# KiCad board first_keyboard.kicad_pcb (continued)
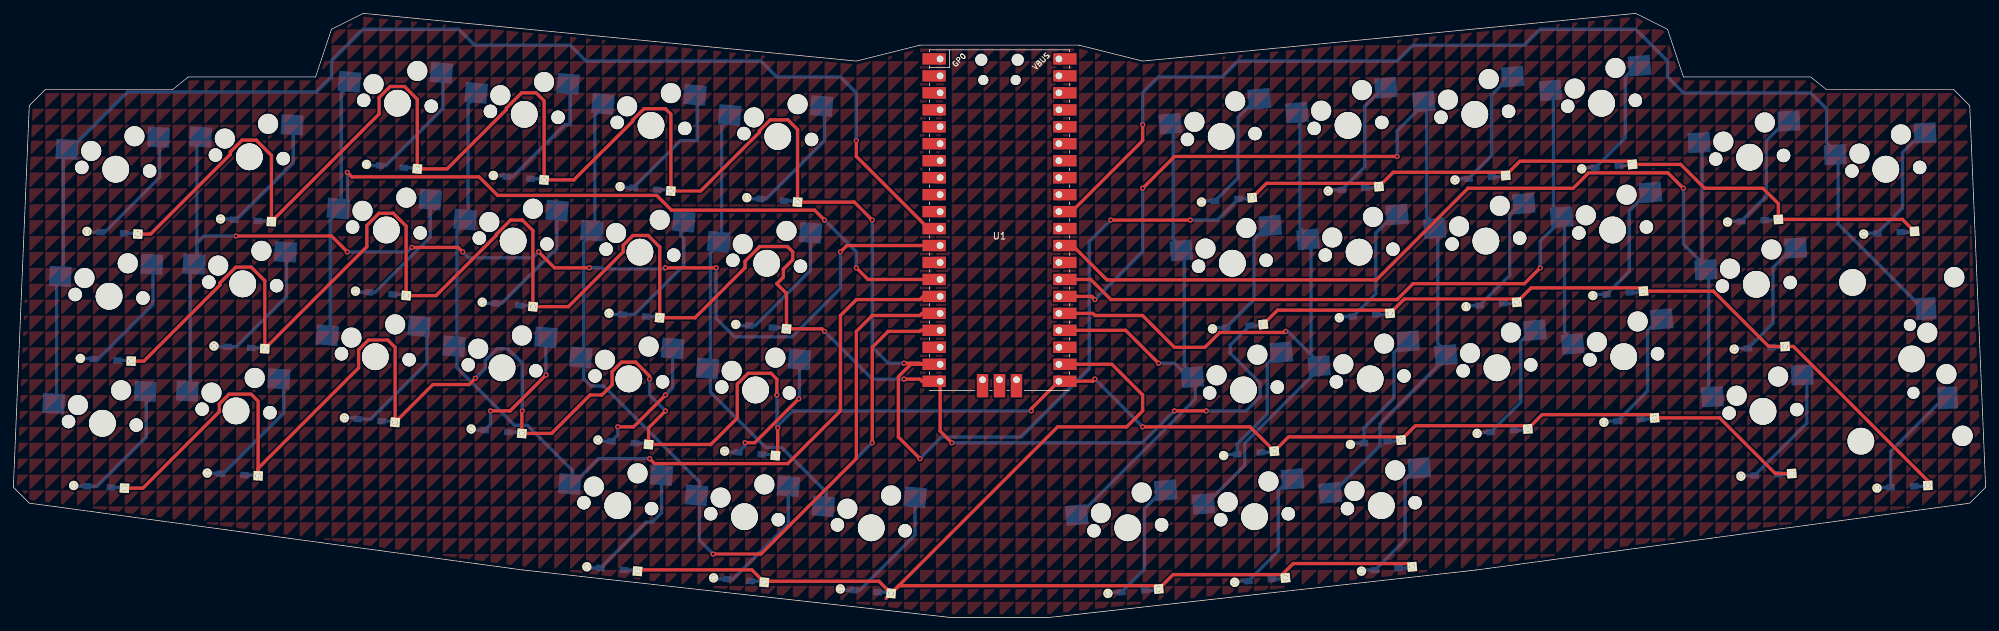
[diagram p0: board, top side]
## Copper pours and planes (outline as drawn; the poured copper is in the pictures) (continued)
(no net) on Top, Bottom: 92.87,23.81 92.87,21.43 95.25,23.81
(no net) on Top, Bottom: 42.86,40.48 42.86,38.1 45.24,40.48
(no net) on Top, Bottom: 297.66,90.49 297.66,88.11 300.04,90.49
(no net) on Top, Bottom: 123.83,2.38 123.83,0 126.21,2.38
(no net) on Top, Bottom: 280.99,47.62 280.99,45.24 283.37,47.62
(no net) on Top, Bottom: 164.31,52.39 164.31,50.01 166.69,52.39
(no net) on Top, Bottom: 164.31,114.3 164.31,111.92 166.69,114.3
(no net) on Top, Bottom: 45.24,-28.57 45.24,-30.96 47.62,-28.57
(no net) on Top, Bottom: 271.46,14.29 271.46,11.91 273.84,14.29
(no net) on Top, Bottom: 292.89,30.96 292.89,28.57 295.27,30.96
(no net) on Top, Bottom: 0,88.11 0,85.72 2.38,88.11
(no net) on Top, Bottom: 247.65,35.72 247.65,33.34 250.03,35.72
(no net) on Top, Bottom: 83.34,9.53 83.34,7.14 85.73,9.53
(no net) on Top, Bottom: 40.48,52.39 40.48,50.01 42.86,52.39
(no net) on Top, Bottom: 276.22,147.64 276.22,145.26 278.61,147.64
(no net) on Top, Bottom: 176.21,107.16 176.21,104.78 178.59,107.16
(no net) on Top, Bottom: 164.31,30.96 164.31,28.57 166.69,30.96
(no net) on Top, Bottom: 276.22,102.39 276.22,100.01 278.61,102.39
(no net) on Top, Bottom: 59.53,-28.57 59.53,-30.96 61.91,-28.57
(no net) on Top, Bottom: 80.96,119.06 80.96,116.68 83.34,119.06
(no net) on Top, Bottom: 57.15,2.38 57.15,0 59.53,2.38
(no net) on Top, Bottom: 145.26,78.58 145.26,76.2 147.64,78.58
(no net) on Top, Bottom: 33.34,102.39 33.34,100.01 35.72,102.39
(no net) on Top, Bottom: 109.54,111.92 109.54,109.54 111.92,111.92
(no net) on Top, Bottom: 119.06,38.1 119.06,35.72 121.44,38.1
(no net) on Top, Bottom: 169.07,-9.53 169.07,-11.91 171.45,-9.53
(no net) on Top, Bottom: 40.48,16.67 40.48,14.29 42.86,16.67
(no net) on Top, Bottom: 57.15,-11.91 57.15,-14.29 59.53,-11.91
(no net) on Top, Bottom: 14.29,40.48 14.29,38.1 16.67,40.48
(no net) on Top, Bottom: 223.84,92.87 223.84,90.49 226.22,92.87
(no net) on Top, Bottom: 28.58,-26.19 28.58,-28.57 30.96,-26.19
(no net) on Top, Bottom: 0,83.34 0,80.96 2.38,83.34
(no net) on Top, Bottom: 288.13,80.96 288.13,78.58 290.51,80.96
(no net) on Top, Bottom: 302.42,66.68 302.42,64.29 304.8,66.68
(no net) on Top, Bottom: 4.76,71.44 4.76,69.06 7.14,71.44
(no net) on Top, Bottom: 140.49,42.86 140.49,40.48 142.88,42.86
(no net) on Top, Bottom: 42.86,104.78 42.86,102.39 45.24,104.78
(no net) on Top, Bottom: 211.93,16.67 211.93,14.29 214.31,16.67
(no net) on Top, Bottom: 247.65,71.44 247.65,69.06 250.03,71.44
(no net) on Top, Bottom: 47.62,85.72 47.62,83.34 50.01,85.72
(no net) on Top, Bottom: 69.06,102.39 69.06,100.01 71.44,102.39
(no net) on Top, Bottom: 30.96,54.77 30.96,52.39 33.34,54.77
(no net) on Top, Bottom: 73.82,100.01 73.82,97.63 76.2,100.01
(no net) on Top, Bottom: 245.27,150.02 245.27,147.64 247.65,150.02
(no net) on Top, Bottom: 50.01,-30.96 50.01,-33.34 52.39,-30.96
(no net) on Top, Bottom: 259.56,16.67 259.56,14.29 261.94,16.67
(no net) on Top, Bottom: 257.18,135.73 257.18,133.35 259.56,135.73
(no net) on Top, Bottom: 119.06,88.11 119.06,85.72 121.44,88.11
(no net) on Top, Bottom: 130.97,88.11 130.97,85.72 133.35,88.11
(no net) on Top, Bottom: 200.02,145.26 200.02,142.88 202.41,145.26
(no net) on Top, Bottom: 259.56,-26.19 259.56,-28.57 261.94,-26.19
(no net) on Top, Bottom: 197.64,85.72 197.64,83.34 200.02,85.72
(no net) on Top, Bottom: 283.37,23.81 283.37,21.43 285.75,23.81
(no net) on Top, Bottom: 188.12,107.16 188.12,104.78 190.5,107.16
(no net) on Top, Bottom: 185.74,11.91 185.74,9.53 188.12,11.91
(no net) on Top, Bottom: 133.35,88.11 133.35,85.72 135.73,88.11
(no net) on Top, Bottom: 166.69,111.92 166.69,109.54 169.07,111.92
(no net) on Top, Bottom: 97.63,28.57 97.63,26.19 100.01,28.57
(no net) on Top, Bottom: 276.22,11.91 276.22,9.53 278.61,11.91
(no net) on Top, Bottom: 97.63,133.35 97.63,130.97 100.01,133.35
(no net) on Top, Bottom: 135.73,100.01 135.73,97.63 138.11,100.01
(no net) on Top, Bottom: 85.73,2.38 85.73,0 88.11,2.38
(no net) on Top, Bottom: 192.88,-30.96 192.88,-33.34 195.26,-30.96
(no net) on Top, Bottom: 211.93,35.72 211.93,33.34 214.31,35.72
(no net) on Top, Bottom: 97.63,-38.1 97.63,-40.48 100.01,-38.1
(no net) on Top, Bottom: 16.67,-38.1 16.67,-40.48 19.05,-38.1
(no net) on Top, Bottom: 197.64,47.62 197.64,45.24 200.02,47.62
(no net) on Top, Bottom: 204.79,50.01 204.79,47.62 207.17,50.01
(no net) on Top, Bottom: 214.31,-4.76 214.31,-7.14 216.69,-4.76
(no net) on Top, Bottom: 128.59,145.26 128.59,142.88 130.97,145.26
(no net) on Top, Bottom: 142.88,92.87 142.88,90.49 145.26,92.87
(no net) on Top, Bottom: 64.29,95.25 64.29,92.87 66.67,95.25
(no net) on Top, Bottom: 47.62,28.57 47.62,26.19 50.01,28.57
(no net) on Top, Bottom: 0,52.39 0,50.01 2.38,52.39
(no net) on Top, Bottom: 23.81,-16.67 23.81,-19.05 26.19,-16.67
(no net) on Top, Bottom: 14.29,9.53 14.29,7.14 16.67,9.53
(no net) on Top, Bottom: 240.51,102.39 240.51,100.01 242.89,102.39
(no net) on Top, Bottom: 23.81,57.15 23.81,54.77 26.19,57.15
(no net) on Top, Bottom: 166.69,4.76 166.69,2.38 169.07,4.76
(no net) on Top, Bottom: 254.79,147.64 254.79,145.26 257.18,147.64
(no net) on Top, Bottom: 50.01,-23.81 50.01,-26.19 52.39,-23.81
(no net) on Top, Bottom: 9.53,109.54 9.53,107.16 11.91,109.54
(no net) on Top, Bottom: 83.34,-2.38 83.34,-4.76 85.73,-2.38
(no net) on Top, Bottom: 133.35,16.67 133.35,14.29 135.73,16.67
(no net) on Top, Bottom: 102.39,50.01 102.39,47.62 104.77,50.01
(no net) on Top, Bottom: 135.73,73.82 135.73,71.44 138.11,73.82
(no net) on Top, Bottom: 40.48,-26.19 40.48,-28.57 42.86,-26.19
(no net) on Top, Bottom: 73.82,4.76 73.82,2.38 76.2,4.76
(no net) on Top, Bottom: 300.04,0 300.04,-2.38 302.42,0
(no net) on Top, Bottom: 104.77,85.72 104.77,83.34 107.16,85.72
(no net) on Top, Bottom: 123.83,116.68 123.83,114.3 126.21,116.68
(no net) on Top, Bottom: 276.22,114.3 276.22,111.92 278.61,114.3
(no net) on Top, Bottom: 171.45,57.15 171.45,54.77 173.83,57.15
(no net) on Top, Bottom: 7.14,90.49 7.14,88.11 9.53,90.49
(no net) on Top, Bottom: 138.11,73.82 138.11,71.44 140.49,73.82
(no net) on Top, Bottom: 285.75,123.83 285.75,121.44 288.13,123.83
(no net) on Top, Bottom: 83.34,73.82 83.34,71.44 85.73,73.82
(no net) on Top, Bottom: 228.6,-2.38 228.6,-4.76 230.98,-2.38
(no net) on Top, Bottom: 76.2,138.11 76.2,135.73 78.58,138.11
(no net) on Top, Bottom: 133.35,145.26 133.35,142.88 135.73,145.26
(no net) on Top, Bottom: 161.93,-30.96 161.93,-33.34 164.31,-30.96
(no net) on Top, Bottom: 176.21,50.01 176.21,47.62 178.59,50.01
(no net) on Top, Bottom: 47.62,71.44 47.62,69.06 50.01,71.44
(no net) on Top, Bottom: 52.39,33.34 52.39,30.96 54.77,33.34
(no net) on Top, Bottom: 66.67,16.67 66.67,14.29 69.06,16.67
(no net) on Top, Bottom: 97.63,19.05 97.63,16.67 100.01,19.05
(no net) on Top, Bottom: 171.45,111.92 171.45,109.54 173.83,111.92
(no net) on Top, Bottom: 161.93,30.96 161.93,28.57 164.31,30.96
(no net) on Top, Bottom: 9.53,73.82 9.53,71.44 11.91,73.82
(no net) on Top, Bottom: 223.84,69.06 223.84,66.68 226.22,69.06
(no net) on Top, Bottom: 171.45,102.39 171.45,100.01 173.83,102.39
(no net) on Top, Bottom: 45.24,47.62 45.24,45.24 47.62,47.62
(no net) on Top, Bottom: 100.01,47.62 100.01,45.24 102.39,47.62
(no net) on Top, Bottom: 109.54,7.14 109.54,4.76 111.92,7.14
(no net) on Top, Bottom: 192.88,119.06 192.88,116.68 195.26,119.06
(no net) on Top, Bottom: 30.96,73.82 30.96,71.44 33.34,73.82
(no net) on Top, Bottom: 228.6,80.96 228.6,78.58 230.98,80.96
(no net) on Top, Bottom: 183.36,23.81 183.36,21.43 185.74,23.81
(no net) on Top, Bottom: 109.54,57.15 109.54,54.77 111.92,57.15
(no net) on Top, Bottom: 50.01,71.44 50.01,69.06 52.39,71.44
(no net) on Top, Bottom: 152.4,69.06 152.4,66.68 154.78,69.06
(no net) on Top, Bottom: 116.68,111.92 116.68,109.54 119.06,111.92
(no net) on Top, Bottom: 171.45,7.14 171.45,4.76 173.83,7.14
(no net) on Top, Bottom: 133.35,114.3 133.35,111.92 135.73,114.3
(no net) on Top, Bottom: 71.44,57.15 71.44,54.77 73.82,57.15
(no net) on Top, Bottom: 78.58,-11.91 78.58,-14.29 80.96,-11.91
(no net) on Top, Bottom: 38.1,133.35 38.1,130.97 40.48,133.35
(no net) on Top, Bottom: 121.44,9.53 121.44,7.14 123.83,9.53
(no net) on Top, Bottom: 66.67,0 66.67,-2.38 69.06,0
(no net) on Top, Bottom: 183.36,19.05 183.36,16.67 185.74,19.05
(no net) on Top, Bottom: 142.88,-14.29 142.88,-16.67 145.26,-14.29
(no net) on Top, Bottom: 238.12,69.06 238.12,66.68 240.51,69.06
(no net) on Top, Bottom: 159.54,28.57 159.54,26.19 161.93,28.57
(no net) on Top, Bottom: 69.06,-4.76 69.06,-7.14 71.44,-4.76
(no net) on Top, Bottom: 197.64,109.54 197.64,107.16 200.02,109.54
(no net) on Top, Bottom: 128.59,138.11 128.59,135.73 130.97,138.11
(no net) on Top, Bottom: 164.31,109.54 164.31,107.16 166.69,109.54
(no net) on Top, Bottom: 261.94,-23.81 261.94,-26.19 264.32,-23.81
(no net) on Top, Bottom: 233.36,23.81 233.36,21.43 235.74,23.81
(no net) on Top, Bottom: 130.97,119.06 130.97,116.68 133.35,119.06
(no net) on Top, Bottom: 304.8,66.68 304.8,64.29 307.18,66.68
(no net) on Top, Bottom: 150.02,59.53 150.02,57.15 152.4,59.53
(no net) on Top, Bottom: 76.2,-21.43 76.2,-23.81 78.58,-21.43
(no net) on Top, Bottom: 176.21,54.77 176.21,52.39 178.59,54.77
(no net) on Top, Bottom: 197.64,57.15 197.64,54.77 200.02,57.15
(no net) on Top, Bottom: 211.93,-14.29 211.93,-16.67 214.31,-14.29
(no net) on Top, Bottom: 14.29,42.86 14.29,40.48 16.67,42.86
(no net) on Top, Bottom: 204.79,64.29 204.79,61.91 207.17,64.29
(no net) on Top, Bottom: 21.43,-4.76 21.43,-7.14 23.81,-4.76
(no net) on Top, Bottom: 28.58,107.16 28.58,104.78 30.96,107.16
(no net) on Top, Bottom: 23.81,123.83 23.81,121.44 26.19,123.83
(no net) on Top, Bottom: 209.55,71.44 209.55,69.06 211.93,71.44
(no net) on Top, Bottom: 11.91,52.39 11.91,50.01 14.29,52.39
(no net) on Top, Bottom: 295.27,35.72 295.27,33.34 297.66,35.72
(no net) on Top, Bottom: 83.34,-28.57 83.34,-30.96 85.73,-28.57
(no net) on Top, Bottom: 276.22,50.01 276.22,47.62 278.61,50.01
(no net) on Top, Bottom: 50.01,-11.91 50.01,-14.29 52.39,-11.91
(no net) on Top, Bottom: 214.31,38.1 214.31,35.72 216.69,38.1
(no net) on Top, Bottom: 302.42,-33.34 302.42,-35.72 304.8,-33.34
(no net) on Top, Bottom: 273.84,-23.81 273.84,-26.19 276.22,-23.81
(no net) on Top, Bottom: 76.2,66.68 76.2,64.29 78.58,66.68
(no net) on Top, Bottom: 292.89,38.1 292.89,35.72 295.27,38.1
(no net) on Top, Bottom: 178.59,14.29 178.59,11.91 180.98,14.29
(no net) on Top, Bottom: 226.22,33.34 226.22,30.96 228.6,33.34
(no net) on Top, Bottom: 19.05,61.91 19.05,59.53 21.43,61.91
(no net) on Top, Bottom: 178.59,57.15 178.59,54.77 180.98,57.15
(no net) on Top, Bottom: 147.64,95.25 147.64,92.87 150.02,95.25
(no net) on Top, Bottom: 26.19,16.67 26.19,14.29 28.58,16.67
(no net) on Top, Bottom: 169.07,35.72 169.07,33.34 171.45,35.72
(no net) on Top, Bottom: 290.51,61.91 290.51,59.53 292.89,61.91
(no net) on Top, Bottom: 69.06,9.53 69.06,7.14 71.44,9.53
(no net) on Top, Bottom: 76.2,128.59 76.2,126.21 78.58,128.59
(no net) on Top, Bottom: 166.69,-26.19 166.69,-28.57 169.07,-26.19
(no net) on Top, Bottom: 35.72,100.01 35.72,97.63 38.1,100.01
(no net) on Top, Bottom: 297.66,83.34 297.66,80.96 300.04,83.34
(no net) on Top, Bottom: 64.29,28.57 64.29,26.19 66.67,28.57
(no net) on Top, Bottom: 76.2,23.81 76.2,21.43 78.58,23.81
(no net) on Top, Bottom: 100.01,57.15 100.01,54.77 102.39,57.15
(no net) on Top, Bottom: 266.7,85.72 266.7,83.34 269.08,85.72
(no net) on Top, Bottom: 154.78,45.24 154.78,42.86 157.16,45.24
(no net) on Top, Bottom: 109.54,102.39 109.54,100.01 111.92,102.39
(no net) on Top, Bottom: 192.88,114.3 192.88,111.92 195.26,114.3
(no net) on Top, Bottom: 107.16,92.87 107.16,90.49 109.54,92.87
(no net) on Top, Bottom: 116.68,-26.19 116.68,-28.57 119.06,-26.19
(no net) on Top, Bottom: 45.24,42.86 45.24,40.48 47.62,42.86
(no net) on Top, Bottom: 176.21,130.97 176.21,128.59 178.59,130.97
(no net) on Top, Bottom: 207.17,114.3 207.17,111.92 209.55,114.3
(no net) on Top, Bottom: 73.82,11.91 73.82,9.53 76.2,11.91
(no net) on Top, Bottom: 83.34,-35.72 83.34,-38.1 85.73,-35.72
(no net) on Top, Bottom: 285.75,111.92 285.75,109.54 288.13,111.92
(no net) on Top, Bottom: 50.01,133.35 50.01,130.97 52.39,133.35
(no net) on Top, Bottom: 157.16,2.38 157.16,0 159.54,2.38
(no net) on Top, Bottom: 147.64,-14.29 147.64,-16.67 150.02,-14.29
(no net) on Top, Bottom: 50.01,78.58 50.01,76.2 52.39,78.58
(no net) on Top, Bottom: 283.37,95.25 283.37,92.87 285.75,95.25
(no net) on Top, Bottom: 71.44,121.44 71.44,119.06 73.82,121.44
(no net) on Top, Bottom: 135.73,78.58 135.73,76.2 138.11,78.58
(no net) on Top, Bottom: 123.83,66.68 123.83,64.29 126.21,66.68
(no net) on Top, Bottom: 171.45,130.97 171.45,128.59 173.83,130.97
(no net) on Top, Bottom: 7.14,95.25 7.14,92.87 9.53,95.25
(no net) on Top, Bottom: 35.72,119.06 35.72,116.68 38.1,119.06
(no net) on Top, Bottom: 161.93,114.3 161.93,111.92 164.31,114.3
(no net) on Top, Bottom: 266.7,33.34 266.7,30.96 269.08,33.34
(no net) on Top, Bottom: 71.44,-30.96 71.44,-33.34 73.82,-30.96
(no net) on Top, Bottom: 169.07,133.35 169.07,130.97 171.45,133.35
(no net) on Top, Bottom: 47.62,-35.72 47.62,-38.1 50.01,-35.72
(no net) on Top, Bottom: 28.58,128.59 28.58,126.21 30.96,128.59
(no net) on Top, Bottom: 50.01,128.59 50.01,126.21 52.39,128.59
(no net) on Top, Bottom: 85.73,-26.19 85.73,-28.57 88.11,-26.19
(no net) on Top, Bottom: 223.84,66.68 223.84,64.29 226.22,66.68
(no net) on Top, Bottom: 183.36,95.25 183.36,92.87 185.74,95.25
(no net) on Top, Bottom: 188.12,-4.76 188.12,-7.14 190.5,-4.76
(no net) on Top, Bottom: 157.16,111.92 157.16,109.54 159.54,111.92
(no net) on Top, Bottom: 30.96,100.01 30.96,97.63 33.34,100.01
(no net) on Top, Bottom: 157.16,-26.19 157.16,-28.57 159.54,-26.19
(no net) on Top, Bottom: 71.44,102.39 71.44,100.01 73.82,102.39
(no net) on Top, Bottom: 85.73,47.62 85.73,45.24 88.11,47.62
(no net) on Top, Bottom: 154.78,88.11 154.78,85.72 157.16,88.11
(no net) on Top, Bottom: 169.07,95.25 169.07,92.87 171.45,95.25
(no net) on Top, Bottom: 40.48,7.14 40.48,4.76 42.86,7.14
(no net) on Top, Bottom: 147.64,-28.57 147.64,-30.96 150.02,-28.57
(no net) on Top, Bottom: 285.75,140.49 285.75,138.11 288.13,140.49
(no net) on Top, Bottom: 133.35,-16.67 133.35,-19.05 135.73,-16.67
(no net) on Top, Bottom: 209.55,133.35 209.55,130.97 211.93,133.35
(no net) on Top, Bottom: 28.58,14.29 28.58,11.91 30.96,14.29
(no net) on Top, Bottom: 78.58,-21.43 78.58,-23.81 80.96,-21.43
(no net) on Top, Bottom: 185.74,-16.67 185.74,-19.05 188.12,-16.67
(no net) on Top, Bottom: 209.55,61.91 209.55,59.53 211.93,61.91
(no net) on Top, Bottom: 273.84,-38.1 273.84,-40.48 276.22,-38.1
(no net) on Top, Bottom: 161.93,85.72 161.93,83.34 164.31,85.72
(no net) on Top, Bottom: 161.93,73.82 161.93,71.44 164.31,73.82
(no net) on Top, Bottom: 302.42,-7.14 302.42,-9.53 304.8,-7.14
(no net) on Top, Bottom: 61.91,-7.14 61.91,-9.53 64.29,-7.14
(no net) on Top, Bottom: 214.31,-14.29 214.31,-16.67 216.69,-14.29
(no net) on Top, Bottom: 209.55,85.72 209.55,83.34 211.93,85.72
(no net) on Top, Bottom: 64.29,7.14 64.29,4.76 66.67,7.14
(no net) on Top, Bottom: 97.63,97.63 97.63,95.25 100.01,97.63
(no net) on Top, Bottom: 45.24,147.64 45.24,145.26 47.62,147.64
(no net) on Top, Bottom: 69.06,88.11 69.06,85.72 71.44,88.11
(no net) on Top, Bottom: 152.4,-30.96 152.4,-33.34 154.78,-30.96
(no net) on Top, Bottom: 102.39,-16.67 102.39,-19.05 104.77,-16.67
(no net) on Top, Bottom: 238.12,95.25 238.12,92.87 240.51,95.25
(no net) on Top, Bottom: 216.69,28.57 216.69,26.19 219.07,28.57
(no net) on Top, Bottom: 300.04,28.57 300.04,26.19 302.42,28.57
(no net) on Top, Bottom: 133.35,-4.76 133.35,-7.14 135.73,-4.76
(no net) on Top, Bottom: 240.51,59.53 240.51,57.15 242.89,59.53
(no net) on Top, Bottom: 116.68,73.82 116.68,71.44 119.06,73.82
(no net) on Top, Bottom: 19.05,-33.34 19.05,-35.72 21.43,-33.34
(no net) on Top, Bottom: 280.99,123.83 280.99,121.44 283.37,123.83
(no net) on Top, Bottom: 173.83,40.48 173.83,38.1 176.21,40.48
(no net) on Top, Bottom: 92.87,9.53 92.87,7.14 95.25,9.53
(no net) on Top, Bottom: 61.91,-21.43 61.91,-23.81 64.29,-21.43
(no net) on Top, Bottom: 128.59,66.68 128.59,64.29 130.97,66.68
(no net) on Top, Bottom: 292.89,-4.76 292.89,-7.14 295.27,-4.76
(no net) on Top, Bottom: 107.16,135.73 107.16,133.35 109.54,135.73
(no net) on Top, Bottom: 276.22,52.39 276.22,50.01 278.61,52.39
(no net) on Top, Bottom: 16.67,47.62 16.67,45.24 19.05,47.62
(no net) on Top, Bottom: 259.56,9.53 259.56,7.14 261.94,9.53
(no net) on Top, Bottom: 42.86,-33.34 42.86,-35.72 45.24,-33.34
(no net) on Top, Bottom: 166.69,-14.29 166.69,-16.67 169.07,-14.29
(no net) on Top, Bottom: 121.44,0 121.44,-2.38 123.83,0
(no net) on Top, Bottom: 100.01,52.39 100.01,50.01 102.39,52.39
(no net) on Top, Bottom: 76.2,80.96 76.2,78.58 78.58,80.96
(no net) on Top, Bottom: 7.14,4.76 7.14,2.38 9.53,4.76
(no net) on Top, Bottom: 111.92,73.82 111.92,71.44 114.3,73.82
(no net) on Top, Bottom: 54.77,107.16 54.77,104.78 57.15,107.16
(no net) on Top, Bottom: 269.08,14.29 269.08,11.91 271.46,14.29
(no net) on Top, Bottom: 16.67,7.14 16.67,4.76 19.05,7.14
(no net) on Top, Bottom: 280.99,83.34 280.99,80.96 283.37,83.34
(no net) on Top, Bottom: 185.74,130.97 185.74,128.59 188.12,130.97
(no net) on Top, Bottom: 176.21,147.64 176.21,145.26 178.59,147.64
(no net) on Top, Bottom: 88.11,97.63 88.11,95.25 90.49,97.63
(no net) on Top, Bottom: 159.54,-28.57 159.54,-30.96 161.93,-28.57
(no net) on Top, Bottom: 135.73,45.24 135.73,42.86 138.11,45.24
(no net) on Top, Bottom: 266.7,21.43 266.7,19.05 269.08,21.43
(no net) on Top, Bottom: 221.46,130.97 221.46,128.59 223.84,130.97
(no net) on Top, Bottom: 88.11,59.53 88.11,57.15 90.49,59.53
(no net) on Top, Bottom: 283.37,-16.67 283.37,-19.05 285.75,-16.67
(no net) on Top, Bottom: 214.31,107.16 214.31,104.78 216.69,107.16
(no net) on Top, Bottom: 50.01,95.25 50.01,92.87 52.39,95.25
(no net) on Top, Bottom: 297.66,145.26 297.66,142.88 300.04,145.26
(no net) on Top, Bottom: 219.07,95.25 219.07,92.87 221.46,95.25
(no net) on Top, Bottom: 7.14,80.96 7.14,78.58 9.53,80.96
(no net) on Top, Bottom: 240.51,97.63 240.51,95.25 242.89,97.63
(no net) on Top, Bottom: 109.54,-11.91 109.54,-14.29 111.92,-11.91
(no net) on Top, Bottom: 209.55,80.96 209.55,78.58 211.93,80.96
(no net) on Top, Bottom: 102.39,116.68 102.39,114.3 104.77,116.68
(no net) on Top, Bottom: 147.64,19.05 147.64,16.67 150.02,19.05
(no net) on Top, Bottom: 207.17,133.35 207.17,130.97 209.55,133.35
(no net) on Top, Bottom: 159.54,121.44 159.54,119.06 161.93,121.44
(no net) on Top, Bottom: 247.65,-14.29 247.65,-16.67 250.03,-14.29
(no net) on Top, Bottom: 119.06,73.82 119.06,71.44 121.44,73.82
(no net) on Top, Bottom: 269.08,92.87 269.08,90.49 271.46,92.87
(no net) on Top, Bottom: 61.91,-16.67 61.91,-19.05 64.29,-16.67
(no net) on Top, Bottom: 164.31,80.96 164.31,78.58 166.69,80.96
(no net) on Top, Bottom: 78.58,-9.53 78.58,-11.91 80.96,-9.53
(no net) on Top, Bottom: 109.54,35.72 109.54,33.34 111.92,35.72
(no net) on Top, Bottom: 200.02,-19.05 200.02,-21.43 202.41,-19.05
(no net) on Top, Bottom: 292.89,35.72 292.89,33.34 295.27,35.72
(no net) on Top, Bottom: 54.77,35.72 54.77,33.34 57.15,35.72
(no net) on Top, Bottom: 261.94,-21.43 261.94,-23.81 264.32,-21.43
(no net) on Top, Bottom: 150.02,85.72 150.02,83.34 152.4,85.72
(no net) on Top, Bottom: 202.41,30.96 202.41,28.57 204.79,30.96
(no net) on Top, Bottom: 283.37,26.19 283.37,23.81 285.75,26.19
(no net) on Top, Bottom: 304.8,80.96 304.8,78.58 307.18,80.96
(no net) on Top, Bottom: 288.13,69.06 288.13,66.68 290.51,69.06
(no net) on Top, Bottom: 192.88,-19.05 192.88,-21.43 195.26,-19.05
(no net) on Top, Bottom: 121.44,133.35 121.44,130.97 123.83,133.35
(no net) on Top, Bottom: 33.34,42.86 33.34,40.48 35.72,42.86
(no net) on Top, Bottom: 200.02,-26.19 200.02,-28.57 202.41,-26.19
(no net) on Top, Bottom: 283.37,35.72 283.37,33.34 285.75,35.72
(no net) on Top, Bottom: 180.98,107.16 180.98,104.78 183.36,107.16
(no net) on Top, Bottom: 16.67,102.39 16.67,100.01 19.05,102.39
(no net) on Top, Bottom: 228.6,123.83 228.6,121.44 230.98,123.83
(no net) on Top, Bottom: 166.69,78.58 166.69,76.2 169.07,78.58
(no net) on Top, Bottom: 292.89,52.39 292.89,50.01 295.27,52.39
(no net) on Top, Bottom: 283.37,78.58 283.37,76.2 285.75,78.58
(no net) on Top, Bottom: 90.49,21.43 90.49,19.05 92.87,21.43
(no net) on Top, Bottom: 14.29,50.01 14.29,47.62 16.67,50.01
(no net) on Top, Bottom: 200.02,138.11 200.02,135.73 202.41,138.11
(no net) on Top, Bottom: 95.25,135.73 95.25,133.35 97.63,135.73
(no net) on Top, Bottom: 226.22,128.59 226.22,126.21 228.6,128.59
(no net) on Top, Bottom: 283.37,-19.05 283.37,-21.43 285.75,-19.05
(no net) on Top, Bottom: 150.02,-19.05 150.02,-21.43 152.4,-19.05
(no net) on Top, Bottom: 119.06,126.21 119.06,123.83 121.44,126.21
(no net) on Top, Bottom: 78.58,83.34 78.58,80.96 80.96,83.34
(no net) on Top, Bottom: 23.81,26.19 23.81,23.81 26.19,26.19
(no net) on Top, Bottom: 180.98,97.63 180.98,95.25 183.36,97.63
(no net) on Top, Bottom: 7.14,-7.14 7.14,-9.53 9.53,-7.14
(no net) on Top, Bottom: 16.67,14.29 16.67,11.91 19.05,14.29
(no net) on Top, Bottom: 69.06,138.11 69.06,135.73 71.44,138.11
(no net) on Top, Bottom: 78.58,35.72 78.58,33.34 80.96,35.72
(no net) on Top, Bottom: 247.65,126.21 247.65,123.83 250.03,126.21
(no net) on Top, Bottom: 202.41,0 202.41,-2.38 204.79,0
(no net) on Top, Bottom: 216.69,85.72 216.69,83.34 219.07,85.72
(no net) on Top, Bottom: 45.24,61.91 45.24,59.53 47.62,61.91
(no net) on Top, Bottom: 159.54,61.91 159.54,59.53 161.93,61.91
(no net) on Top, Bottom: 192.88,23.81 192.88,21.43 195.26,23.81
(no net) on Top, Bottom: 302.42,-26.19 302.42,-28.57 304.8,-26.19
(no net) on Top, Bottom: 152.4,-23.81 152.4,-26.19 154.78,-23.81
(no net) on Top, Bottom: 288.13,145.26 288.13,142.88 290.51,145.26
(no net) on Top, Bottom: 295.27,85.72 295.27,83.34 297.66,85.72
(no net) on Top, Bottom: 52.39,35.72 52.39,33.34 54.77,35.72
(no net) on Top, Bottom: 178.59,26.19 178.59,23.81 180.98,26.19
(no net) on Top, Bottom: 252.41,50.01 252.41,47.62 254.79,50.01
(no net) on Top, Bottom: 233.36,-35.72 233.36,-38.1 235.74,-35.72
(no net) on Top, Bottom: 264.32,71.44 264.32,69.06 266.7,71.44
(no net) on Top, Bottom: 73.82,78.58 73.82,76.2 76.2,78.58
(no net) on Top, Bottom: 214.31,111.92 214.31,109.54 216.69,111.92
(no net) on Top, Bottom: 261.94,7.14 261.94,4.76 264.32,7.14
(no net) on Top, Bottom: 292.89,140.49 292.89,138.11 295.27,140.49
(no net) on Top, Bottom: 95.25,90.49 95.25,88.11 97.63,90.49
(no net) on Top, Bottom: 152.4,126.21 152.4,123.83 154.78,126.21
(no net) on Top, Bottom: 209.55,76.2 209.55,73.82 211.93,76.2
(no net) on Top, Bottom: 223.84,11.91 223.84,9.53 226.22,11.91
(no net) on Top, Bottom: 247.65,121.44 247.65,119.06 250.03,121.44
(no net) on Top, Bottom: 283.37,85.72 283.37,83.34 285.75,85.72
(no net) on Top, Bottom: 157.16,50.01 157.16,47.62 159.54,50.01
(no net) on Top, Bottom: 292.89,9.53 292.89,7.14 295.27,9.53
(no net) on Top, Bottom: 221.46,102.39 221.46,100.01 223.84,102.39
(no net) on Top, Bottom: 288.13,52.39 288.13,50.01 290.51,52.39
(no net) on Top, Bottom: 178.59,59.53 178.59,57.15 180.98,59.53
(no net) on Top, Bottom: 264.32,-2.38 264.32,-4.76 266.7,-2.38
(no net) on Top, Bottom: 16.67,-19.05 16.67,-21.43 19.05,-19.05
(no net) on Top, Bottom: 297.66,64.29 297.66,61.91 300.04,64.29
(no net) on Top, Bottom: 133.35,-23.81 133.35,-26.19 135.73,-23.81
(no net) on Top, Bottom: 42.86,140.49 42.86,138.11 45.24,140.49
(no net) on Top, Bottom: 214.31,-30.96 214.31,-33.34 216.69,-30.96
(no net) on Top, Bottom: 178.59,64.29 178.59,61.91 180.98,64.29
(no net) on Top, Bottom: 38.1,85.72 38.1,83.34 40.48,85.72
(no net) on Top, Bottom: 50.01,102.39 50.01,100.01 52.39,102.39
(no net) on Top, Bottom: 188.12,16.67 188.12,14.29 190.5,16.67
(no net) on Top, Bottom: 52.39,128.59 52.39,126.21 54.77,128.59
(no net) on Top, Bottom: 83.34,-30.96 83.34,-33.34 85.73,-30.96
(no net) on Top, Bottom: 278.61,11.91 278.61,9.53 280.99,11.91
(no net) on Top, Bottom: 66.67,45.24 66.67,42.86 69.06,45.24
(no net) on Top, Bottom: 130.97,40.48 130.97,38.1 133.35,40.48
(no net) on Top, Bottom: 242.89,-28.57 242.89,-30.96 245.27,-28.57
(no net) on Top, Bottom: 54.77,111.92 54.77,109.54 57.15,111.92
(no net) on Top, Bottom: 138.11,-30.96 138.11,-33.34 140.49,-30.96
(no net) on Top, Bottom: 26.19,88.11 26.19,85.72 28.58,88.11
(no net) on Top, Bottom: 109.54,133.35 109.54,130.97 111.92,133.35
(no net) on Top, Bottom: 242.89,119.06 242.89,116.68 245.27,119.06
(no net) on Top, Bottom: 4.76,9.53 4.76,7.14 7.14,9.53
(no net) on Top, Bottom: 195.26,133.35 195.26,130.97 197.64,133.35
(no net) on Top, Bottom: 138.11,85.72 138.11,83.34 140.49,85.72
(no net) on Top, Bottom: 135.73,-14.29 135.73,-16.67 138.11,-14.29
(no net) on Top, Bottom: 100.01,-4.76 100.01,-7.14 102.39,-4.76
(no net) on Top, Bottom: 142.88,109.54 142.88,107.16 145.26,109.54
(no net) on Top, Bottom: 254.79,150.02 254.79,147.64 257.18,150.02
(no net) on Top, Bottom: 302.42,119.06 302.42,116.68 304.8,119.06
(no net) on Top, Bottom: 142.88,30.96 142.88,28.57 145.26,30.96
(no net) on Top, Bottom: 297.66,2.38 297.66,0 300.04,2.38
